# Altium PCB MAX2620.PcbDoc
Units mil, origin at the board's own origin, x right, y up, seen from the top; angles counter-clockwise.
Board outline 1666 x 1551 mil, 2 copper layers (Top Layer, Bottom Layer); 37 components, 13 nets, 120 pads, 648 vias.
Unrouted connection lines stored in the file: 2.
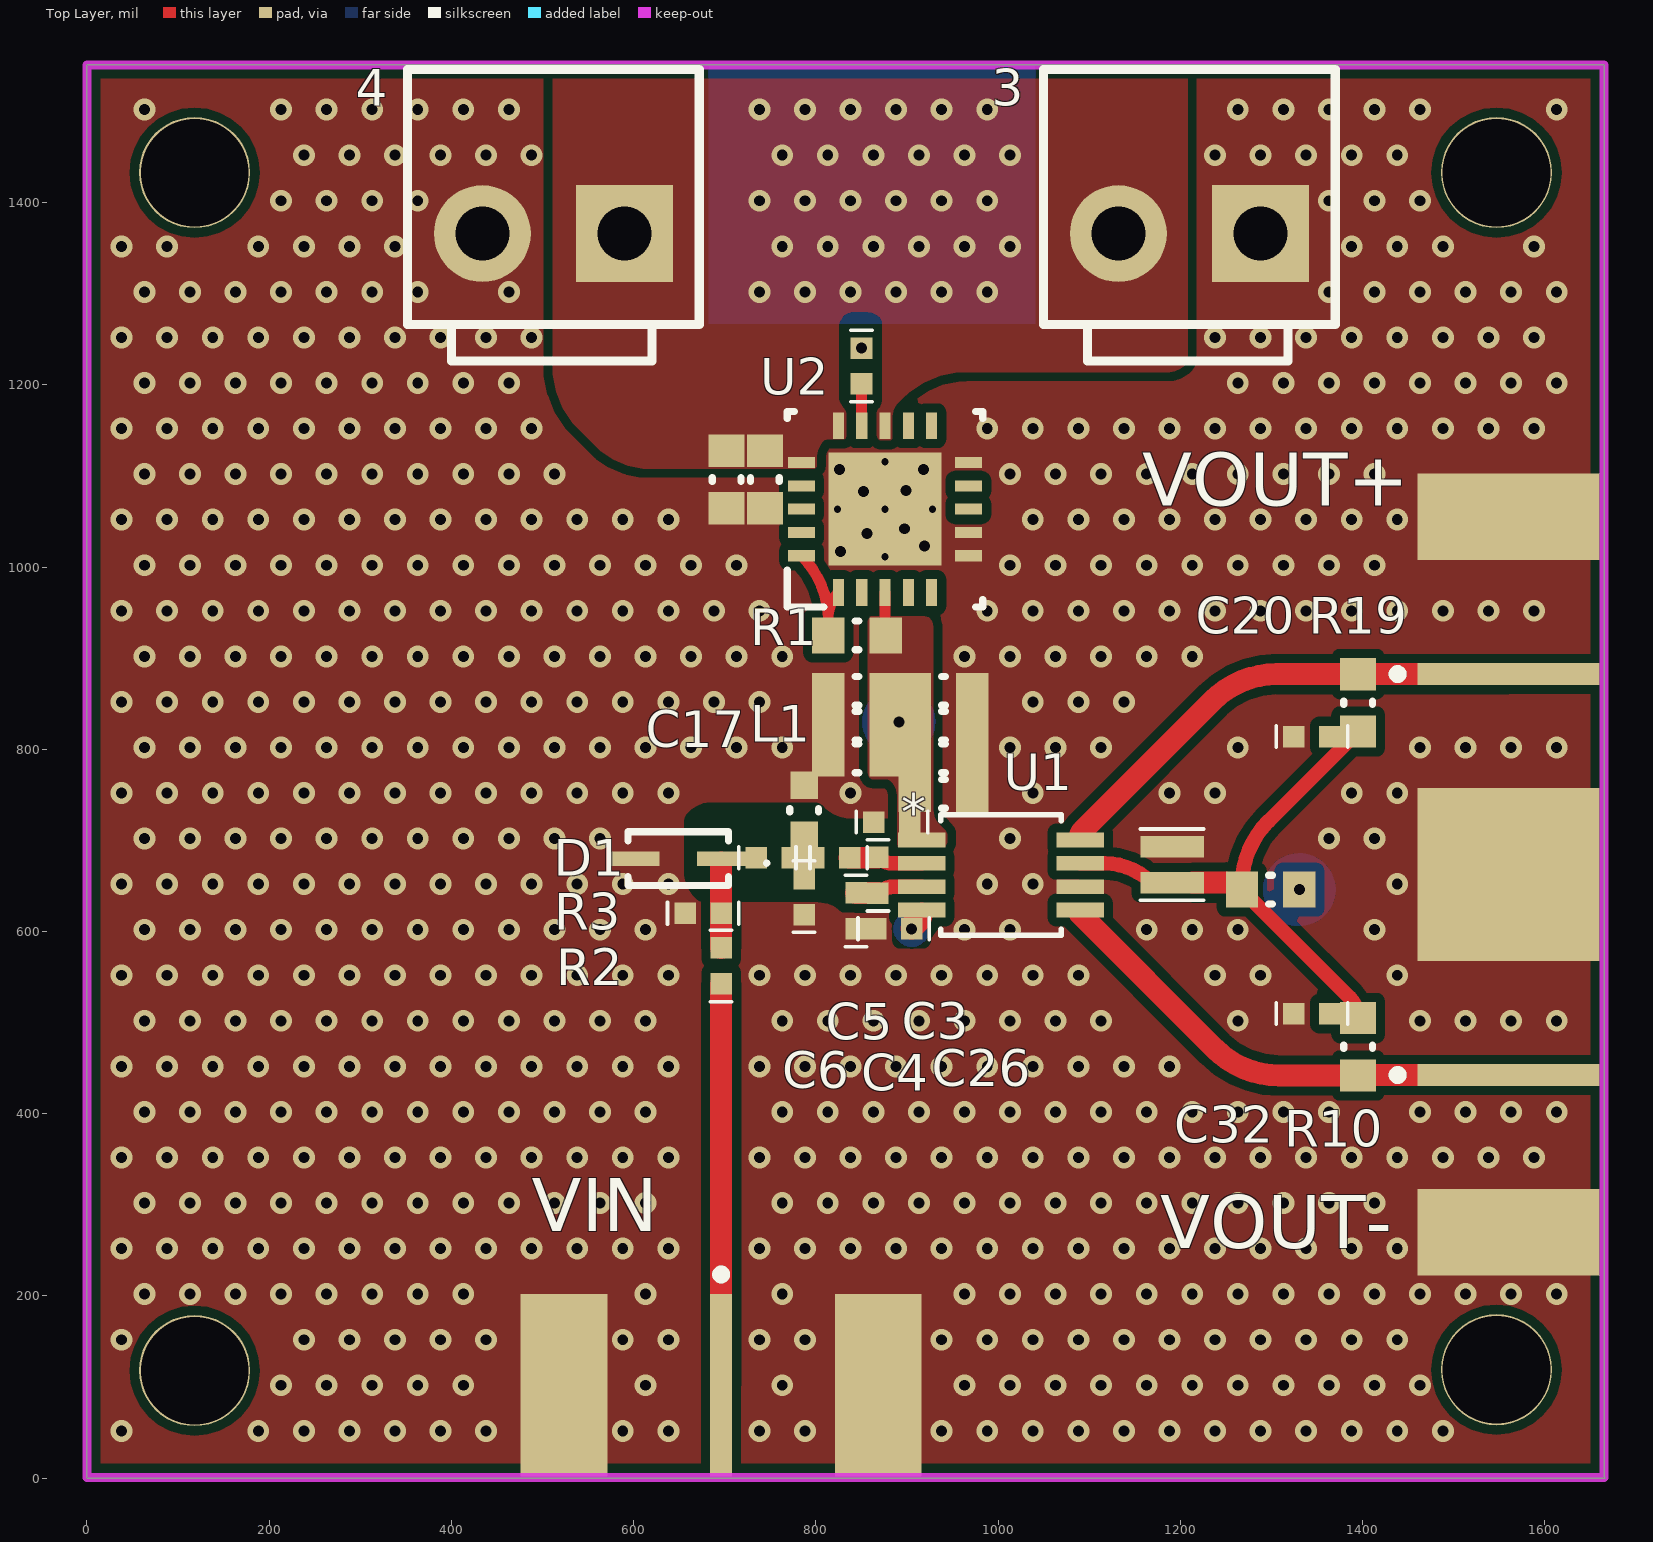
[diagram p0: Top Layer view]
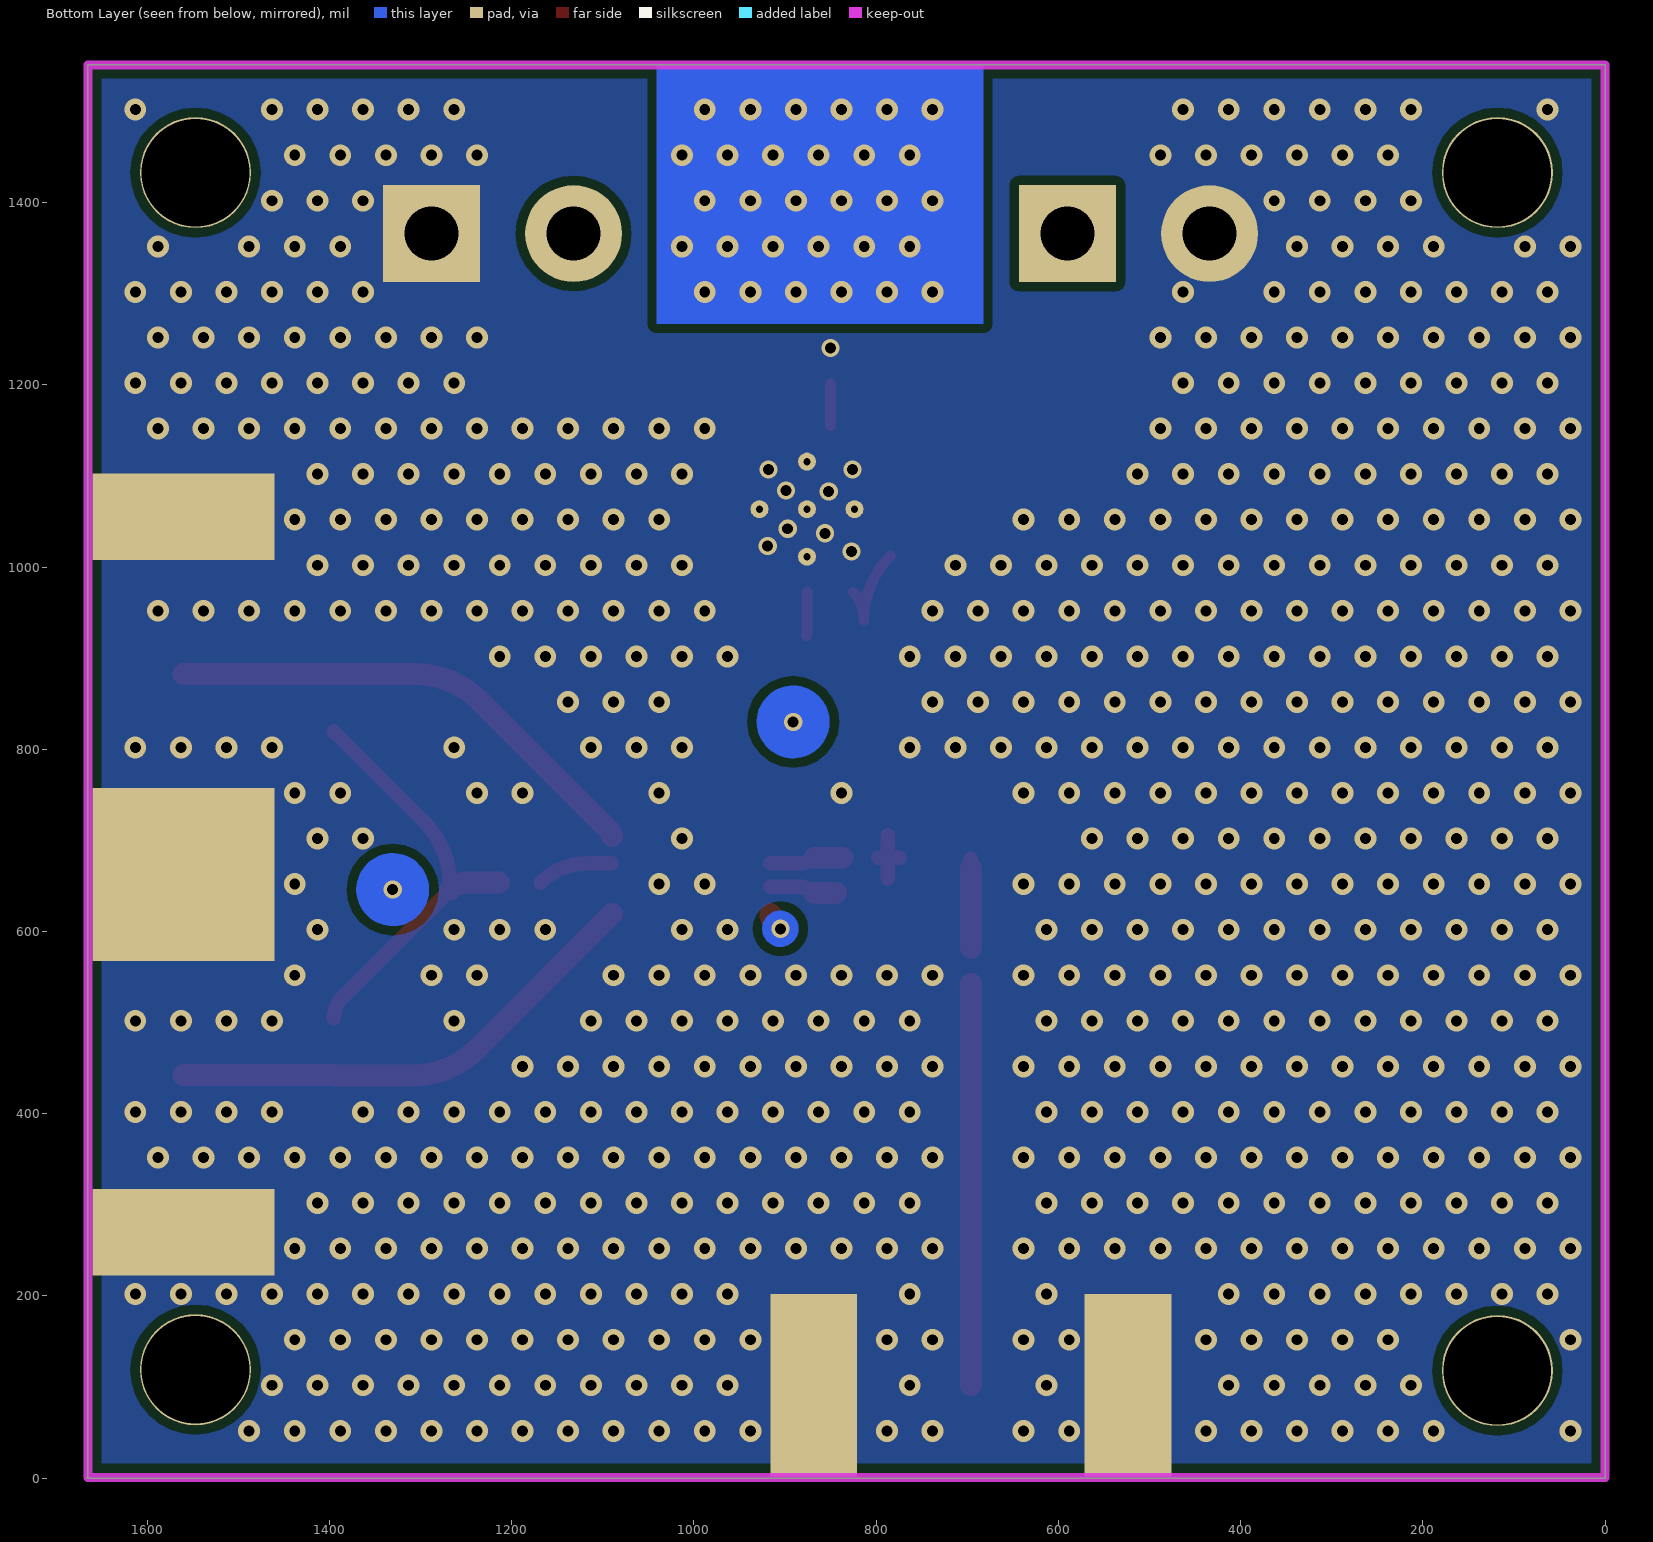
[diagram p1: Bottom Layer view, seen from below]

## Layer stack, top to bottom
Top Solder: solder mask 0.4, Solder Resist, Dk 3.5
Top Layer: signal copper 1.4
Dielectric 1: dielectric 12.6, FR-4, Dk 4.8
Bottom Layer: signal copper 1.4
Bottom Solder: solder mask 0.4, Solder Resist, Dk 3.5

## Board outline
0,0 1666,0 1665,1 1665,1551 0,1551

## Design rules (kind name [scope] priority, off if disabled: settings)
Clearance [All] p1: gap=10 ignorepadtopadclearanceinfootprint=FALSE except(0: Arc-Hole Track-Hole SMDPad-Hole THPad-Hole Via-Hole Fill-Hole Poly-Hole Region-Hole Text-Hole)
PlaneConnect [All] p1: planeconnectstyle=Direct reliefexpansion=20 reliefentries=4 reliefconductorwidth=10 reliefairgap=10
PolygonConnect [All] p1: connectstyle=Direct reliefconductorwidth=10 reliefentries=4 polygonreliefangle="90 Angle" airgapwidth=10
RoutingVias [All] p1: holewidth=28 width=50 viastyle="Through Hole" minholewidth=28 minwidth=50 maxholewidth=28 maxwidth=50
SolderMaskExpansion [All] p1: expansion=4
Width [All] p1: maxlimit=50 minlimit=10 preferedwidth=24
29 further rules are at their usual default settings.

## Classes and differential pairs
component class MAX2620: 3 C3 C4 C5 C6 C17 C20 C26 C32 D1 L1 R1 R2 R3 R10 R19 U1 U2 VIN VOUT+ VOUT- ""

## Components (designator, comment, footprint, x,y, rotation, side; value= is the part's Value field where it differs from the comment)
3 "3.96" 3.96 1210,1366 r180 top
4 "3.96" 3.96 512,1366 r180 top
C3 "6pF" 0402 868,681.37 r270 top
C4 "6pF" 0402 844,642.37 r270 top
C5 "6pF" 0402 797.63,681 r0 top
C6 "6pF" 0402 787,618.63 r90 top
C17 "6pF" 0402 734.63,681 r0 top
C20 "1nF" 0402 1364,814 r180 top
C26 "1nF" 0402 865.63,603 r0 top
C32 "1n" 0402 1364,510 r180 top
C33 "1n" 0402 863.63,720 r0 top
C38 "6pF" 0402 1191,693 r270 top
C39 "6pF" 0402 1168,693 r270 top
C40 "100n" 0402 1214,693 r270 top
C100 "10uf" 0603C 702,1096 r90 top
C101 "10uf" 0603C 744,1096 r90 top
C102 "1uf" 0402 850,1240.37 r270 top
C103 "10uf" 0603C 845,864 r0 top
C104 "10uf" 0603C 940,864 r180 top
C105 "10uf" 0603C 845,826 r0 top
C106 "10uf" 0603C 940,751 r180 top
C107 "10uf" 0603C 845,790 r0 top
C108 "10uf" 0603C 940,790 r180 top
C? "10uf" 0603C 940,826 r180 top
D1 "BAT60JFILM" SOD-323 649,680 r0 top
L1 "BEAD" 0603L 787,733 r90 top value=100uH
R1 "10" 0603R 845,925 r0 top
R2 "33k" 0402 696,582 r270 top
R3 "33k" 0402 656.63,620 r0 top
R10 "50" 0603R 1395,473.5 r90 top
R19 "50" 0603R 1395,851 r90 top
R28 "33k" 0603R 1299,646 r180 top
U1 "MAX2620EUA+" 21-0036K_MXM 1003,662 r0 top
U2 "TPS7A4701QRGWRQ1" RGW0020A 875.82,1063.54 r90 top value=Value
VIN "SMA" SMA 701,198 r90 top (schematic designator P1)
VOUT+ "SMA" SMA 1464,887.5 r180 top (schematic designator P3)
VOUT- "SMA" SMA 1464,447.5 r180 top (schematic designator P2)

## Footprints (in the part's own frame and the unit in brackets; to place one, negate y for a bottom-side part, rotate by r counter-clockwise, add the part's x,y. Pads: shape width x height; smd on the part's side, far side on the other; paste and mask are expansions set on the pad)
3.96 [mm] "接插件，25V/5A"
  rect 2.7x2.7 hole 1.5: 1(-1.98,0)
  round 2.7 hole 1.5: 2(1.982,0)
  silkscreen extent -4.06,-4.57 4.07,3.56, body extent -3.98,-4.4 4.03,4.16, height 10.5
21-0036K_MXM [mil]
  rect 52x16 smd paste+0 mask+0: 1(-87,38.4) 2(-87,12.8) 3(-87,-12.8) 4(-87,-38.4) 5(87,-38.4) 6(87,-12.8) 7(87,12.8) 8(87,38.4)
  silkscreen extent -66,-66 66,66
0402 [mm]
  rect 0.6x0.6 smd: 1(0,0) 2(1,0)
  silkscreen extent -0.5,-0.3 1.5,0.3
0603C [mm] "Chip Capacitor, Body 1.6x0.8mm, Height 1.0mm, IPC Medium Density"
  rect 0.9x1 smd: 1(-0.8,0) 2(0.8,0)
  silkscreen extent -0.05,-0.4 0.05,0.4, body extent -0.87,-0.48 0.88,0.47, height 1
0603L [mil] "Bead 0603L"
  rect 30x30 smd: 1(27.5,0) 2(-27.5,0)
  silkscreen extent -2,-16 2,16, body extent -34,-19 34,19, height 24
0603R [mm] "Chip Resistor, Body 1.6x0.8mm, IPC Medium Density"
  rect 0.9x1 smd: 1(-0.8,0) 2(0.8,0)
  silkscreen extent -0.05,-0.4 0.05,0.4, body extent -0.85,-0.47 0.85,0.47, height 0.6
RGW0020A [mm]
  rect 0.75x0.31 smd paste+0 mask+0: 1(-2.325,1.3) 2(-2.325,0.65) 3(-2.325,0) 4(-2.325,-0.65) 5(-2.325,-1.3) 11(2.325,-1.3) 12(2.325,-0.65) 13(2.325,0) 14(2.325,0.65) 15(2.325,1.3)
  rect 0.31x0.75 smd paste+0 mask+0: 6(-1.3,-2.325) 7(-0.65,-2.325) 8(0,-2.325) 9(0.65,-2.325) 10(1.3,-2.325) 16(1.3,2.325) 17(0.65,2.325) 18(0,2.325) 19(-0.65,2.325) 20(-1.3,2.325)
  rect 3.15x3.15 smd paste-1.562 mask+0: 21(0,0)
  round 0.5 hole 0.203 mask+0: V(-1.325,0) V(0,1.325) V(0,0) V(0,-1.325) V(1.325,0)
  silkscreen extent -2.73,-2.73 2.73,2.73, body extent 0,0 0.25,0.25, height 0.25
SMA [mil]
  rect 200x24 smd: 1(-96,5)
  rect 200x95 smd: 2(-96,177.5) 2(-96,-167.5)
  rect 200x95 smd far side: 2(-96,177.5) 2(-96,177.5) 2(-96,-167.5)
  silkscreen extent 21,0 31,10, body extent -571,-183 -9,192, height 171
SOD-323 [mm] "Diode"
  rect 1.35x0.4 smd: 1(-1.2,0) 2(1.2,0)
  silkscreen extent -1.4,-0.75 2.51,0.75, body extent -1.35,-0.72 1.35,0.72, height 1.17

## Part data
C3 C4 C5 C6 C17 C20 C26 C32 C33 C38 C39 C40 C100 C101 C102 C103 C104 C105 C106 C107 C108 C?: library part C, "Capacitor"
D1: library part Diode, "Default Diode", Code - JEDEC=DO-214-AB, ECCN_US/EU=EAR99/NEC, Ordered by=STM, Published=8-Jun-2000, Publisher="Altium Limited", Revision="July-2002: Re-released for DXP Platform."
L1: library part Inductor, "Inductor", Published=8-Jun-2000, Publisher="Altium Limited", Revision="July-2002: Re-released for DXP Platform."
R1 R2 R3 R10 R19 R28: library part Resistor, "Resistor"
U1: "No Description Available", Built_By=EMA_UL_Team, Copyright="Copyright (C) 2018 Accelerated Designs. All rights reserved", Manufacturer_Part_Number=MAX2620EUA+, RefDes=RefDes, Revision=2, SourceLibrary=Maxim_2011-10-27, Type=DEV, Vendor="Maxim Integrated Products"
U2: "No Description Available", Manufacturer="Texas Instruments", Copyright="Copyright (C) 2018 Accelerated Designs. All rights reserved", PartNumber=TPS7A4701QRGWRQ1, RefDes=RefDes, Type=DEV
VIN VOUT+ VOUT-: "SMA Connector"

## Free pads (board coordinates)
  round 122.05 hole 118.11: 3(118.11,118.11) 3(118.11,1432.89) 3(1546.89,119.11) 3(1546.89,1432.89)

## Via types
v1: diameter 24, hole 12, Top Layer to Bottom Layer, tented both sides, 636 vias
v2: diameter 20, hole 12, Top Layer to Bottom Layer, tented both sides, 12 vias

## Nets (pads, with @x,y where several pads share a name; then routed paths per layer and width w, separated by ;. In a path a pad name is that pad's centre, name@x,y a point inside that pad or via, vN(x,y) a via of type N, cw(c..) or ccw(c..) an arc to the next point about the centre after c; other vN are vias at no path point)
5V: C20.1 C26.2 C32.1 C33.2 C38.2 C39.2 C40.2 C103.2 C104.2 C105.2 C106.2 C107.2 C108.2 C?.2 R1.2 R10.2 R19.1 R28.2 U1.1 U1.4 U1.7 U2.3 | length 837.6
  Top Layer w12: U2.3 875.82,926.63 ccw(c878.13,926.63) R1.2
  Top Layer w16: C26.2@909.23,607.23 ccw(c892.82,623.6) U1.4 ; U1.7 1116.89,674.8 cw(c1116.89,602.52) C39.2 ; R10.2 ccw(c1362.38,504.99) 1385.45,528.06 R28.2 1267.5,650.59 cw(c1367.5,650.59) 1296.79,721.3 R19.1
  Top Layer w24: C26.2@908.68,611.88 ccw(c917.55,603) v2(905,603) 909.23,607.23 912.32,610.32 ccw(c903.45,619.2) U1.4@916,619.2 ; C40.2 1249.08,653.63 cw(c1249.08,627.58) R28.2
  Bottom Layer w20: 915,603 ccw(c905,603) 915,603
  Bottom Layer w40: 911,830 ccw(c891,830) 911,830
  other v2: 891,830
GND: 3.1 4.2 C4.2 C6.1 C20.2 C26.1 C32.2 C33.1 C38.1 C39.1 C40.1 C100.1 C101.1 C102.1 C103.1 C104.1 C105.1 C106.1 C107.1 C108.1 C?.1 D1.1 L1.1 R3.1 U1.6 U2.6 U2.7 U2.10 U2.21 U2.V VIN.2 VOUT+.2 VOUT-.2
  other v1: 38,52 188,52 238,52 288,52 338,52 388,52 438,52 588,52 638,52 738,52 788,52 938,52 988,52 1038,52 1088,52 1138,52 1188,52 1238,52 1288,52 1338,52 1388,52 1438,52 1488,52 213,102 263,102 313,102 363,102 413,102 613,102 763,102 963,102 1013,102 1063,102 1113,102 1163,102 1213,102 1263,102 1313,102 1363,102 1413,102 1463,102 38,152 238,152 288,152 338,152 388,152 438,152 588,152 638,152 738,152 788,152 938,152 988,152 1038,152 1088,152 1138,152 1188,152 1238,152 1288,152 1338,152 1388,152 1438,152 63,202 113,202 163,202 213,202 263,202 313,202 363,202 413,202 613,202 763,202 963,202 1013,202 1063,202 1113,202 1163,202 1213,202 1263,202 1313,202 1363,202 1413,202 1463,202 1513,202 1563,202 1613,202 38,252 88,252 138,252 188,252 238,252 288,252 338,252 388,252 438,252 488,252 538,252 588,252 638,252 738,252 788,252 838,252 888,252 938,252 988,252 1038,252 1088,252 1138,252 1188,252 1238,252 1288,252 1338,252 1388,252 1438,252 63,302 113,302 163,302 213,302 263,302 313,302 363,302 413,302 463,302 513,302 563,302 613,302 763,302 813,302 863,302 913,302 963,302 1013,302 1063,302 1113,302 1163,302 1213,302 1263,302 1313,302 1363,302 1413,302 38,352 88,352 138,352 188,352 238,352 288,352 338,352 388,352 438,352 488,352 538,352 588,352 638,352 738,352 788,352 838,352 888,352 938,352 988,352 1038,352 1088,352 1138,352 1188,352 1238,352 1288,352 1338,352 1388,352 1438,352 1488,352 1538,352 1588,352 63,402 113,402 163,402 213,402 263,402 313,402 363,402 413,402 463,402 513,402 563,402 613,402 763,402 813,402 863,402 913,402 963,402 1013,402 1063,402 1113,402 1163,402 1213,402 1263,402 1313,402 1363,402 1463,402 1513,402 1563,402 1613,402 38,452 88,452 138,452 188,452 238,452 288,452 338,452 388,452 438,452 488,452 538,452 588,452 638,452 738,452 788,452 838,452 888,452 938,452 988,452 1038,452 1088,452 1138,452 1188,452 63,502 113,502 163,502 213,502 263,502 313,502 363,502 413,502 463,502 513,502 563,502 613,502 763,502 813,502 863,502 913,502 963,502 1013,502 1063,502 1113,502 1263,502 1463,502 1513,502 1563,502 1613,502 38,552 88,552 138,552 188,552 238,552 288,552 338,552 388,552 438,552 488,552 538,552 588,552 638,552 738,552 788,552 838,552 888,552 938,552 988,552 1038,552 1088,552 1238,552 1288,552 1438,552 63,602 113,602 163,602 213,602 263,602 313,602 363,602 413,602 463,602 513,602 563,602 613,602 963,602 1013,602 1163,602 1213,602 1263,602 1413,602 38,652 88,652 138,652 188,652 238,652 288,652 338,652 388,652 438,652 488,652 538,652 588,652 638,652 988,652 1038,652 1438,652 63,702 113,702 163,702 213,702 263,702 313,702 363,702 413,702 463,702 513,702 563,702 1013,702 1363,702 1413,702 38,752 88,752 138,752 188,752 238,752 288,752 338,752 388,752 438,752 488,752 538,752 588,752 638,752 838,752 1038,752 1188,752 1238,752 1388,752 1438,752 63,802 113,802 163,802 213,802 263,802 313,802 363,802 413,802 463,802 513,802 563,802 613,802 663,802 713,802 763,802 1013,802 1063,802 1113,802 1263,802 1463,802 1513,802 1563,802 1613,802 38,852 88,852 138,852 188,852 238,852 288,852 338,852 388,852 438,852 488,852 538,852 588,852 638,852 688,852 738,852 1038,852 1088,852 1138,852 63,902 113,902 163,902 213,902 263,902 313,902 363,902 413,902 463,902 513,902 563,902 613,902 663,902 713,902 763,902 963,902 1013,902 1063,902 1113,902 1163,902 1213,902 38,952 88,952 138,952 188,952 238,952 288,952 338,952 388,952 438,952 488,952 538,952 588,952 638,952 688,952 738,952 988,952 1038,952 1088,952 1138,952 1188,952 1238,952 1288,952 1338,952 1388,952 1438,952 1488,952 1538,952 1588,952 63,1002 113,1002 163,1002 213,1002 263,1002 313,1002 363,1002 413,1002 463,1002 513,1002 563,1002 613,1002 663,1002 713,1002 1013,1002 1063,1002 1113,1002 1163,1002 1213,1002 1263,1002 1313,1002 1363,1002 1413,1002 38,1052 88,1052 138,1052 188,1052 238,1052 288,1052 338,1052 388,1052 438,1052 488,1052 538,1052 588,1052 638,1052 1038,1052 1088,1052 1138,1052 1188,1052 1238,1052 1288,1052 1338,1052 1388,1052 1438,1052 63,1102 113,1102 163,1102 213,1102 263,1102 313,1102 363,1102 413,1102 463,1102 513,1102 1013,1102 1063,1102 1113,1102 1163,1102 1213,1102 1263,1102 1313,1102 1363,1102 1413,1102 38,1152 88,1152 138,1152 188,1152 238,1152 288,1152 338,1152 388,1152 438,1152 488,1152 988,1152 1038,1152 1088,1152 1138,1152 1188,1152 1238,1152 1288,1152 1338,1152 1388,1152 1438,1152 1488,1152 1538,1152 1588,1152 63,1202 113,1202 163,1202 213,1202 263,1202 313,1202 363,1202 413,1202 463,1202 1263,1202 1313,1202 1363,1202 1413,1202 1463,1202 1513,1202 1563,1202 1613,1202 38,1252 88,1252 138,1252 188,1252 238,1252 288,1252 338,1252 388,1252 438,1252 488,1252 1238,1252 1288,1252 1338,1252 1388,1252 1438,1252 1488,1252 1538,1252 1588,1252 63,1302 113,1302 163,1302 213,1302 263,1302 313,1302 363,1302 463,1302 1363,1302 1413,1302 1463,1302 1513,1302 1563,1302 1613,1302 38,1352 88,1352 188,1352 238,1352 288,1352 338,1352 1388,1352 1438,1352 1488,1352 1588,1352 213,1402 263,1402 313,1402 363,1402 1363,1402 1413,1402 1463,1402 238,1452 288,1452 338,1452 388,1452 438,1452 488,1452 1238,1452 1288,1452 1338,1452 1388,1452 1438,1452 63,1502 213,1502 263,1502 313,1502 363,1502 413,1502 463,1502 1263,1502 1313,1502 1363,1502 1413,1502 1463,1502 1613,1502
  other v2: 827,1017 919,1023 856,1037 897,1042 852,1083 899,1084 826,1107 918,1107 850,1240.37
NetC3_1: C3.1 C5.2 U1.2 | length 80.8
  Top Layer w16: C3.1@867.63,681.37 C3.1 ccw(c883.86,697.23) 883.86,674.8 U1.2
  Top Layer w24: C5.2 C3.1@867.63,681
NetC3_2: C3.2 C4.1 U1.3 | length 73.9
  Top Layer w16: C3.2@867.63,642 C3.2 cw(c885.38,624.62) 885.38,649.2 U1.3
  Top Layer w24: C4.1 C3.2@867.63,642.37
NetC5_1: C5.1 C6.2 C17.2 L1.2 | length 71.1
  Top Layer w16: C17.2 C5.1@787,681 ; C6.2 C5.1@787,681 ; L1.2 C5.1@787,681 ; C5.1 C5.1@787,681
NetC17_1: C17.1 D1.2 R2.1 R3.2 | length 97.8
  Top Layer w16: 696,670 D1.2@696,679.76
  Top Layer w24: R2.1 R3.2 696,670
NetC102_2: C102.2 U2.14 | length 45.7
  Top Layer w12: U2.14 C102.2@850.23,1200.77
NetP1_1: R2.2 VIN.1 | length 440.6
  Top Layer w24: VIN.1 R2.2
NetP2_1: R10.1 U1.5 VOUT-.1 | length 539.2
  Top Layer w24: U1.5@1090,619.2 1237.91,471.29 ccw(c1308.62,542) 1308.62,442 R10.1 cw(c1396.21,440.79) 1396.21,442.5 VOUT-.1
NetP3_1: R19.2 U1.8 VOUT+.1 | length 540.9
  Top Layer w24: U1.8@1090,704.8 cw(c1097.73,704.8) 1092.26,710.26 1235.21,853.21 cw(c1305.92,782.5) 1305.92,882.5 R19.2 VOUT+.1
NetR1_1: R1.1 U2.1 U2.20 | length 111.5
  Top Layer w12: U2.20 cw(c713.74,941.81) 813.5,941.81 813.5,945.12 cw(c851.52,945.12) U2.1
VCC: 3.2 4.1 C100.2 C101.2 U2.13 U2.15 U2.16
  other v1: 738,1302 788,1302 838,1302 888,1302 938,1302 988,1302 763,1352 813,1352 863,1352 913,1352 963,1352 1013,1352 738,1402 788,1402 838,1402 888,1402 938,1402 988,1402 763,1452 813,1452 863,1452 913,1452 963,1452 1013,1452 738,1502 788,1502 838,1502 888,1502 938,1502 988,1502
VCC2: R28.1 | length 125.7
  Bottom Layer w40: 1350.5,646 ccw(c1330.5,646) 1350.5,646
  other v2: 1330.5,646
pads on no net: U2.2 U2.4 U2.5 U2.8 U2.9 U2.11 U2.12 U2.17 U2.18 U2.19

## Polygon pours and split planes (outlines as drawn)
GND on Top Layer "Top Layer-No Net" (solid, pour order 8): 0,1551 1665,1551 1665,1 0,1
VCC on Top Layer "Top Layer-No Net" (solid, pour order 4): 511,1549 511,1221.42 ccw(c611,1221.42) 540.29,1150.71 558,1133 ccw(c618.36,1193.36) 618.36,1108 797.59,1108 ccw(c797.59,1111.41) 800,1109 800.29,1109.29 ccw(c798.59,1111) 801,1111 801,1119.69 cw(c828.31,1119.69) 809,1139 cw(c811.41,1136.59) 811.41,1140 829.59,1140 ccw(c829.59,1143.41) 832,1141 832.29,1141.29 ccw(c830.59,1143) 833,1143 833,1167.76 ccw(c822.76,1167.76) 830,1175 829.95,1175.05 cw(c841.9,1187) 825,1187 825,1262.93 cw(c842.07,1262.93) 830,1275 cw(c842.07,1262.93) 842.07,1280 855.51,1280 cw(c855.51,1259.51) 870,1274 cw(c862.76,1266.76) 873,1266.76 873,1183.66 cw(c859.34,1183.66) 869,1174 ccw(c873.83,1169.17) 867,1169.17 867,1144.83 ccw(c873.83,1144.83) 869,1140 ccw(c871.41,1142.41) 871.41,1139 880.59,1139 ccw(c880.59,1142.41) 883,1140 ccw(c880.59,1142.41) 884,1142.41 884,1165.51 cw(c904.49,1165.51) 890,1180 894.71,1184.71 cw(c965.42,1114) 965.42,1214 1185.69,1214 ccw(c1185.69,1241.31) 1205,1222 ccw(c1197.76,1229.24) 1208,1229.24 1208,1535.34 ccw(c1194.34,1535.34) 1204,1545
5V on Top Layer "Top Layer-No Net" (solid, pour order 0): 859,945 ccw(c863.83,940.17) 857,940.17 857,775.24 ccw(c867.24,775.24) 860,768 ccw(c862.41,770.41) 862.41,767 877,767 cw(c877,759.76) 882.12,764.88 883,764 cw(c868.51,749.51) 889,749.51 889,694.41 ccw(c892.41,694.41) 890,692 ccw(c892.41,694.41) 892.41,691 938.17,691 ccw(c938.17,697.83) 943,693 ccw(c940.59,695.41) 944,695.41 944,706.17 ccw(c937.17,706.17) 942,711 935.36,717.64 cw(c950.73,733) 929,733 929,932.93 ccw(c911.93,932.93) 924,945 ccw(c921.59,942.59) 921.59,946 861.41,946 ccw(c861.41,942.59)
GND on Bottom Layer "Top Layer-No Net" (solid, pour order 10): 0,1551 1665,1551 1665,1 cw(c1662.59,3.41) 1662.59,0 0,0

## Keep-outs
Keep-Out Layer:
  lines w10: 0,1 1665,1 1665,1551 0,1551 0,1

## Other copper
Top Layer:
  pour cut-out: 687,742 ccw(c687,703.37) 659.69,730.69 659,730 ccw(c668.66,720.34) 655,720.34 655,665.97 ccw(c695.97,665.97) 667,637 ccw(c679.07,649.07) 679.07,632 802.07,632 cw(c802.07,594.92) 828.29,621.14 849.51,642.37 ccw(c778.8,713.08) 878.8,713.08 878.8,724.4 836.59,724.4 cw(c836.59,760.59) 811,735 808.95,737.05 ccw(c797,725.1) 797,742
Bottom Layer:
  rectangle net VCC: 682,1267 1041,1551

## Silkscreen, mask and mechanical layers (free items; w line width, h text height)
Top Solder:
  rectangle: 11,329 303,1163
  rectangle: 682,1267 1041,1551
Bottom Solder:
  circle w20: c905,603 r10
  circle w40: c891,830 r20
  circle w40: c1330.5,646 r20
  rectangle: 662,886 1058,1228
  rectangle: 11,329 303,1163
  rectangle: 682,1267 1041,1551

## Text inside footprints (layer, text, board x,y; h text height)
U1: Top Overlay "*" at 893.5,711.4 h40